# Altium PCB GN-1846-E-V2.PcbDoc (part 2 of 8)
Units mil, origin at the board's own origin, x right, y up, seen from the top; angles counter-clockwise.
Board outline 3750.16 x 2671.81 mil, 4 copper layers (TOP, GND, POWER, BOTTOM), stack 40.359 mil thick; 456 components, 457 nets, 2346 pads, 1495 vias.
Unrouted connection lines stored in the file: 4.
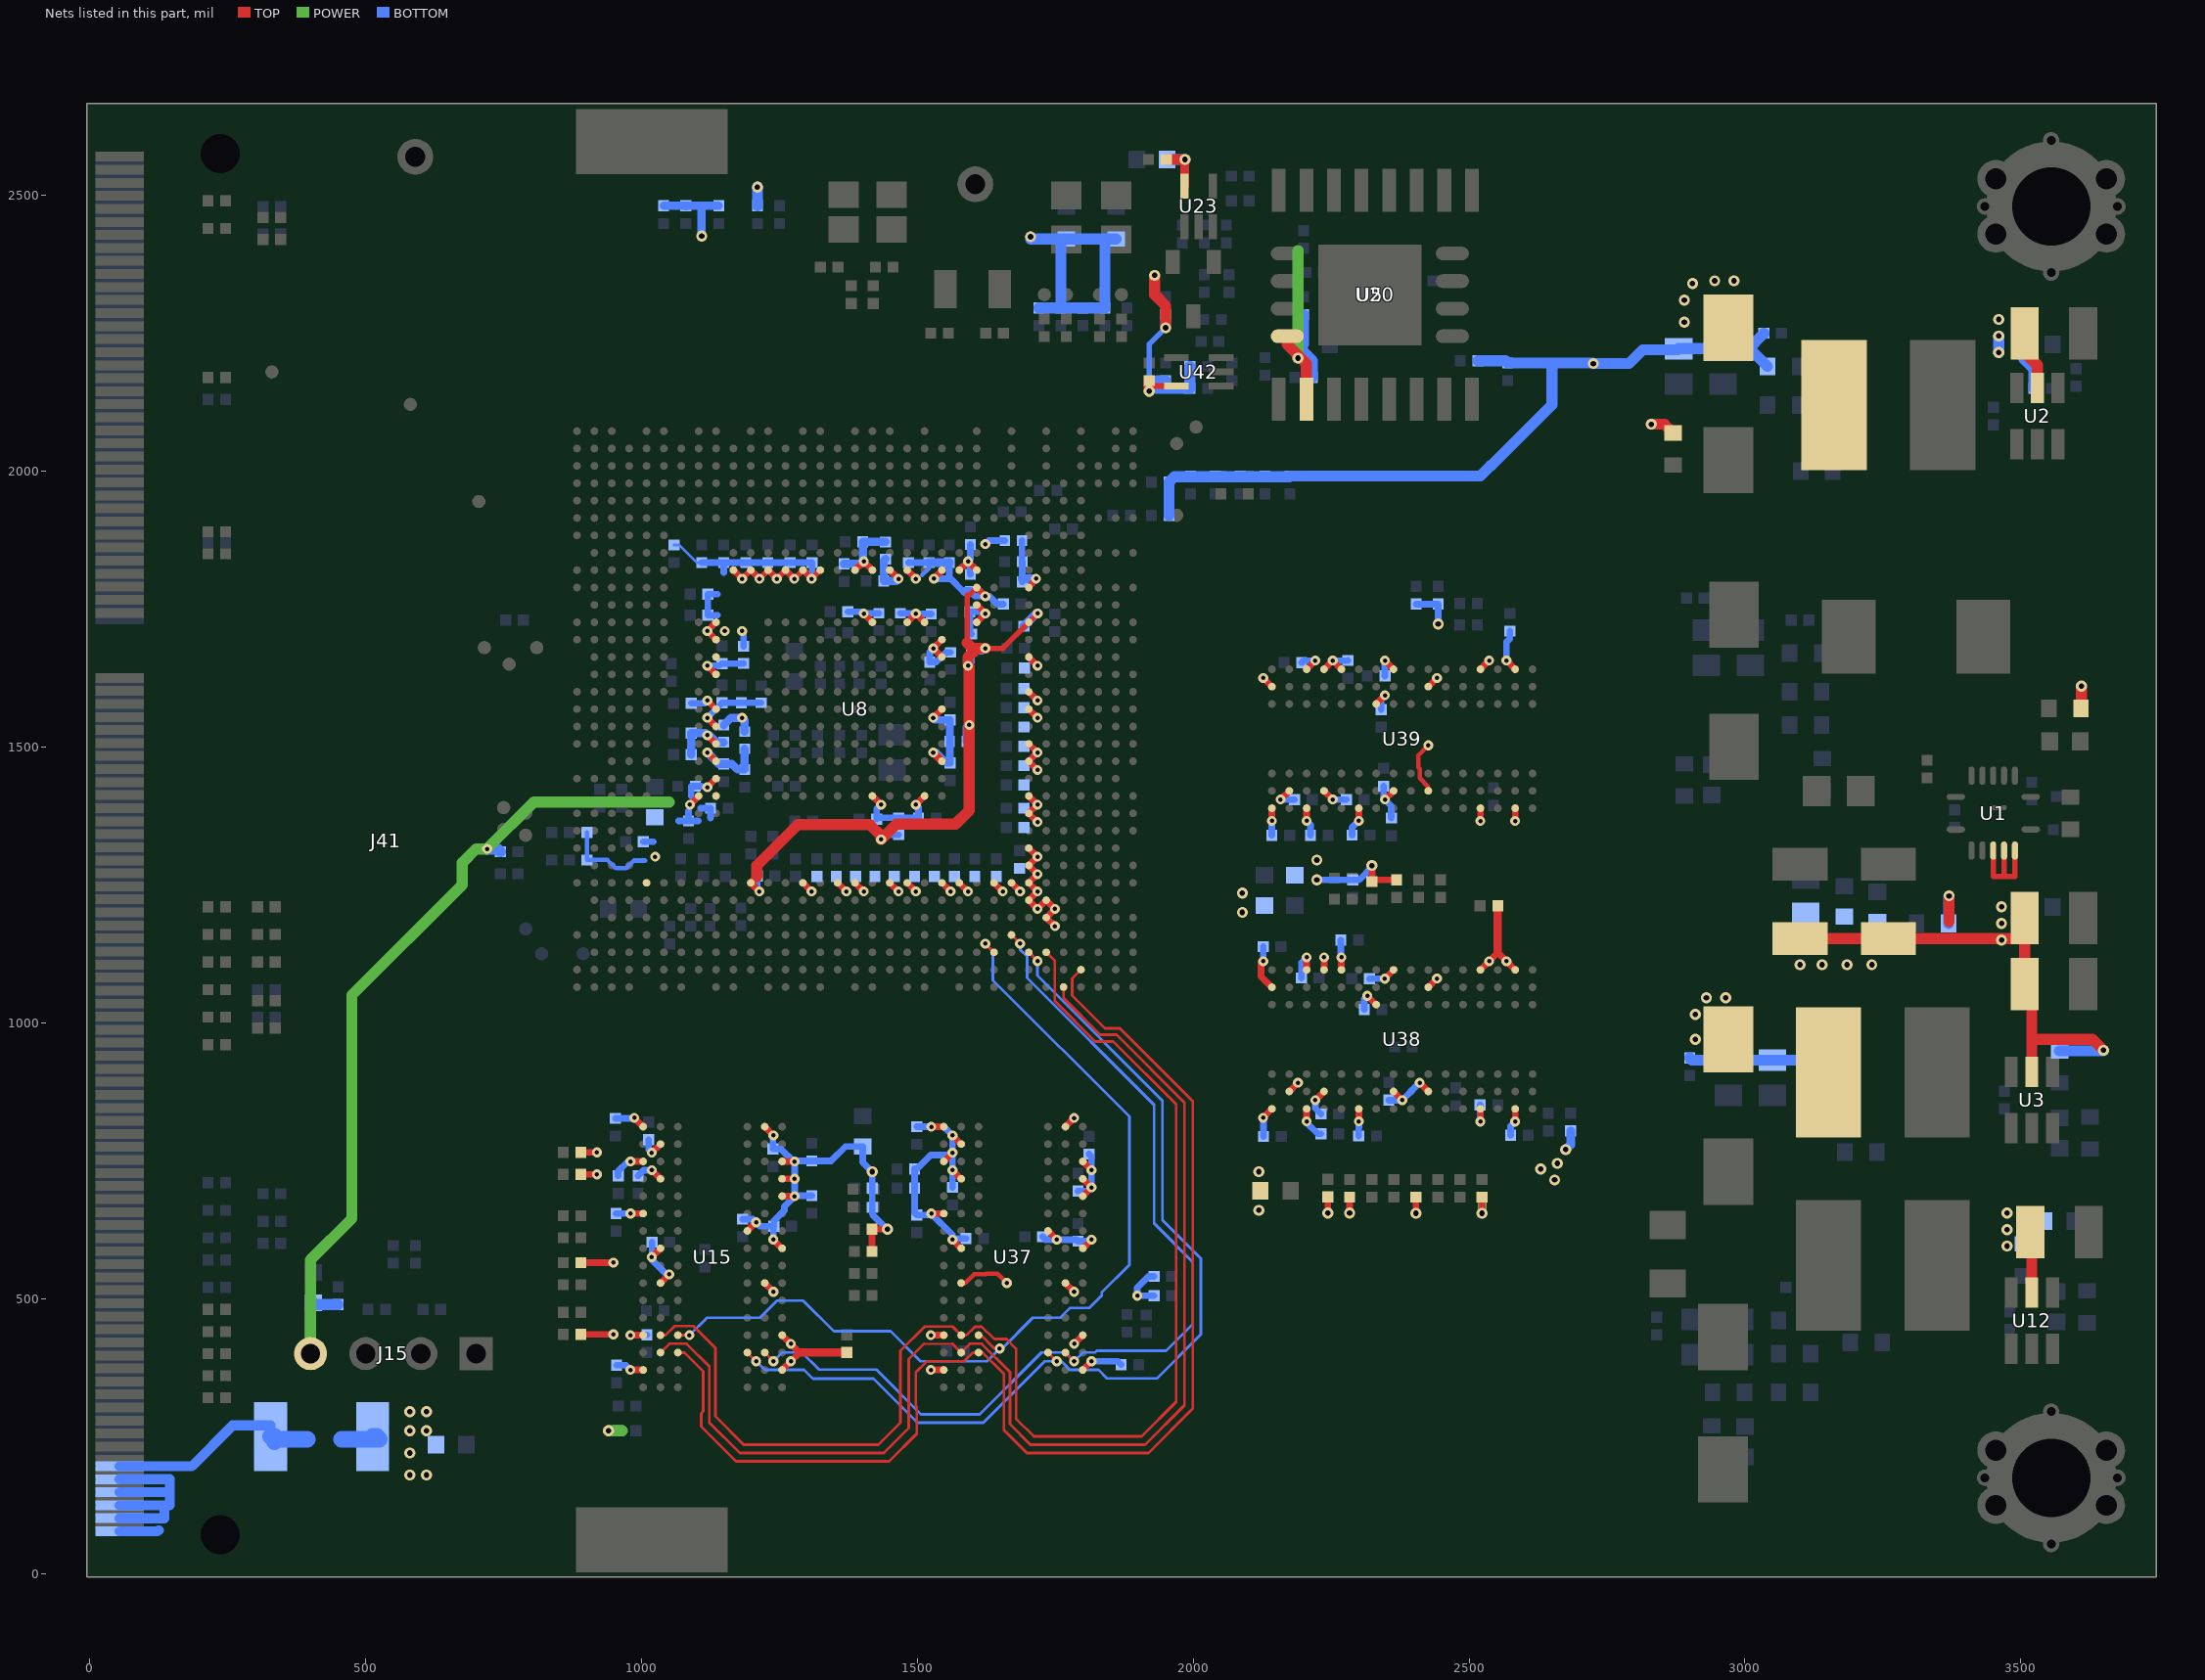
[diagram p4: the nets of this part, all layers, seen from the top]

## Footprints (in the part's own frame and the unit in brackets; to place one, negate y for a bottom-side part, rotate by r counter-clockwise, add the part's x,y. Pads: shape width x height; smd on the part's side, far side on the other; paste and mask are expansions set on the pad) (continued)
BGA805-32-3333 [mil]
  round 14 smd: A1(-503.94,-503.94) A2(-503.94,-472.44) A4(-503.94,-409.45) A7(-503.94,-314.96) A9(-503.94,-251.97) A10(-503.94,-220.47) A11(-503.94,-188.98) A13(-503.94,-125.98) A15(-503.94,-62.99) A16(-503.94,-31.5) A17(-503.94,0) A18(-503.94,31.5) A21(-503.94,125.98) A22(-503.94,157.48) A24(-503.94,220.47) A25(-503.94,251.97) A27(-503.94,314.96) A28(-503.94,346.46) A29(-503.94,377.95) A30(-503.94,409.45) A31(-503.94,440.94) A32(-503.94,472.44) A33(-503.94,503.94) AA1(125.98,-503.94) AA2(125.98,-472.44) AA3(125.98,-440.94) AA4(125.98,-409.45) AA5(125.98,-377.95) AA6(125.98,-346.46) AA7(125.98,-314.96) AA12(125.98,-157.48) AA13(125.98,-125.98) AA14(125.98,-94.49) AA15(125.98,-62.99) AA16(125.98,-31.5) AA17(125.98,0) AA18(125.98,31.5) AA19(125.98,62.99) AA20(125.98,94.49) AA21(125.98,125.98) AA22(125.98,157.48) AA25(125.98,251.97) AA26(125.98,283.46) AA28(125.98,346.46) AA29(125.98,377.95) AA30(125.98,409.45) AA31(125.98,440.94) AA32(125.98,472.44) AA33(125.98,503.94) AB2(157.48,-472.44) AB3(157.48,-440.94) AB4(157.48,-409.45) AB5(157.48,-377.95) AB6(157.48,-346.46) AB7(157.48,-314.96) AB12(157.48,-157.48) AB13(157.48,-125.98) AB14(157.48,-94.49) AB15(157.48,-62.99) AB16(157.48,-31.5) AB17(157.48,0) AB18(157.48,31.5) AB19(157.48,62.99) AB20(157.48,94.49) AB21(157.48,125.98) AB22(157.48,157.48) AB25(157.48,251.97) AB26(157.48,283.46) AB28(157.48,346.46) AB29(157.48,377.95) AB30(157.48,409.45) AB31(157.48,440.94) AB32(157.48,472.44) AC1(188.98,-503.94) AC2(188.98,-472.44) AC3(188.98,-440.94) AC4(188.98,-409.45) AC5(188.98,-377.95) AC6(188.98,-346.46) AC7(188.98,-314.96) AC25(188.98,251.97) AC26(188.98,283.46) AC28(188.98,346.46) AC29(188.98,377.95) AC30(188.98,409.45) AC31(188.98,440.94) AC32(188.98,472.44) AD1(220.47,-503.94) AD2(220.47,-472.44) AD3(220.47,-440.94) AD4(220.47,-409.45) AD5(220.47,-377.95) AD6(220.47,-346.46) AD7(220.47,-314.96) AD22(220.47,157.48) AD23(220.47,188.98) AD24(220.47,220.47) AD25(220.47,251.97) AD26(220.47,283.46) AD28(220.47,346.46) AD29(220.47,377.95) AD30(220.47,409.45) AD31(220.47,440.94) AD32(220.47,472.44) AD33(220.47,503.94) AE1(251.97,-503.94) AE2(251.97,-472.44) AE3(251.97,-440.94) AE4(251.97,-409.45) AE5(251.97,-377.95) AE6(251.97,-346.46) AE7(251.97,-314.96) AE22(251.97,157.48) AE23(251.97,188.98) AE24(251.97,220.47) AE28(251.97,346.46) AE29(251.97,377.95) AE30(251.97,409.45) AF1(283.46,-503.94) AF2(283.46,-472.44) AF3(283.46,-440.94) AF4(283.46,-409.45) AF5(283.46,-377.95) AF6(283.46,-346.46) AF7(283.46,-314.96) AF28(283.46,346.46) AF29(283.46,377.95) AF30(283.46,409.45) AF31(283.46,440.94) AF32(283.46,472.44) AF33(283.46,503.94) AG1(314.96,-503.94) AG2(314.96,-472.44) AG3(314.96,-440.94) AG4(314.96,-409.45) AG5(314.96,-377.95) AG6(314.96,-346.46) AG7(314.96,-314.96) AG8(314.96,-283.46) AG9(314.96,-251.97) AG10(314.96,-220.47) AG11(314.96,-188.98) AG12(314.96,-157.48) AG13(314.96,-125.98) AG14(314.96,-94.49) AG15(314.96,-62.99) AG16(314.96,-31.5) AG17(314.96,0) AG18(314.96,31.5) AG19(314.96,62.99) AG20(314.96,94.49) AG21(314.96,125.98) AG22(314.96,157.48) AG23(314.96,188.98) AG24(314.96,220.47) AG25(314.96,251.97) AG26(314.96,283.46) AG27(314.96,314.96) AG28(314.96,346.46) AG29(314.96,377.95) AG30(314.96,409.45) AH1(346.46,-503.94) AH2(346.46,-472.44) AH3(346.46,-440.94) AH4(346.46,-409.45) AH5(346.46,-377.95) AH6(346.46,-346.46) AH7(346.46,-314.96) AH8(346.46,-283.46) AH9(346.46,-251.97) AH10(346.46,-220.47) AH11(346.46,-188.98) AH12(346.46,-157.48) AH13(346.46,-125.98) AH14(346.46,-94.49) AH15(346.46,-62.99) AH16(346.46,-31.5) AH17(346.46,0) AH18(346.46,31.5) AH19(346.46,62.99) AH20(346.46,94.49) AH21(346.46,125.98) AH22(346.46,157.48) AH23(346.46,188.98) AH24(346.46,220.47) AH25(346.46,251.97) AH26(346.46,283.46) AH27(346.46,314.96) AH28(346.46,346.46) AH29(346.46,377.95) AH30(346.46,409.45) AH31(346.46,440.94) AH32(346.46,472.44) AH33(346.46,503.94) AJ1(377.95,-503.94) AJ2(377.95,-472.44) AJ3(377.95,-440.94) AJ4(377.95,-409.45) AJ5(377.95,-377.95) AJ6(377.95,-346.46) AJ7(377.95,-314.96) AJ8(377.95,-283.46) AJ9(377.95,-251.97) AJ10(377.95,-220.47) AJ11(377.95,-188.98) AJ12(377.95,-157.48) AJ13(377.95,-125.98) AJ14(377.95,-94.49) AJ15(377.95,-62.99) AJ16(377.95,-31.5) AJ17(377.95,0) AJ18(377.95,31.5) AJ19(377.95,62.99) AJ20(377.95,94.49) AJ21(377.95,125.98) AJ22(377.95,157.48) AJ23(377.95,188.98) AJ24(377.95,220.47) AJ25(377.95,251.97) AJ26(377.95,283.46) AJ27(377.95,314.96) AJ28(377.95,346.46) AJ29(377.95,377.95) AJ30(377.95,409.45) AK1(409.45,-503.94) AK2(409.45,-472.44) AK3(409.45,-440.94) AK4(409.45,-409.45) AK5(409.45,-377.95) AK6(409.45,-346.46) AK7(409.45,-314.96) AK8(409.45,-283.46) AK9(409.45,-251.97) AK10(409.45,-220.47) AK11(409.45,-188.98) AK12(409.45,-157.48) AK13(409.45,-125.98) AK14(409.45,-94.49) AK15(409.45,-62.99) AK16(409.45,-31.5) AK17(409.45,0) AK18(409.45,31.5) AK19(409.45,62.99) AK20(409.45,94.49) AK21(409.45,125.98) AK22(409.45,157.48) AK23(409.45,188.98) AK24(409.45,220.47) AK25(409.45,251.97) AK26(409.45,283.46) AK27(409.45,314.96) AK28(409.45,346.46) AK29(409.45,377.95) AK30(409.45,409.45) AK31(409.45,440.94) AK32(409.45,472.44) AK33(409.45,503.94) AL1(440.94,-503.94) AL2(440.94,-472.44) AL3(440.94,-440.94) AL4(440.94,-409.45) AL5(440.94,-377.95) AL6(440.94,-346.46) AL7(440.94,-314.96) AL8(440.94,-283.46) AL9(440.94,-251.97) AL10(440.94,-220.47) AL11(440.94,-188.98) AL12(440.94,-157.48) AL13(440.94,-125.98) AL14(440.94,-94.49) AL15(440.94,-62.99) AL16(440.94,-31.5) AL17(440.94,0) AL18(440.94,31.5) AL19(440.94,62.99) AL20(440.94,94.49) AL21(440.94,125.98) AL22(440.94,157.48) AL23(440.94,188.98) AL24(440.94,220.47) AL26(440.94,283.46) AL28(440.94,346.46) AL30(440.94,409.45) AL31(440.94,440.94) AM1(472.44,-503.94) AM2(472.44,-472.44) AM3(472.44,-440.94) AM4(472.44,-409.45) AM5(472.44,-377.95) AM6(472.44,-346.46) AM7(472.44,-314.96) AM8(472.44,-283.46) AM9(472.44,-251.97) AM10(472.44,-220.47) AM11(472.44,-188.98) AM12(472.44,-157.48) AM13(472.44,-125.98) AM14(472.44,-94.49) AM15(472.44,-62.99) AM16(472.44,-31.5) AM17(472.44,0) AM18(472.44,31.5) AM19(472.44,62.99) AM20(472.44,94.49) AM21(472.44,125.98) AM22(472.44,157.48) AM23(472.44,188.98) AM24(472.44,220.47) AM26(472.44,283.46) AM28(472.44,346.46) AM30(472.44,409.45) AM31(472.44,440.94) AM32(472.44,472.44) AM33(472.44,503.94) AN1(503.94,-503.94) AN2(503.94,-472.44) AN3(503.94,-440.94) AN4(503.94,-409.45) AN5(503.94,-377.95) AN7(503.94,-314.96) AN8(503.94,-283.46) AN10(503.94,-220.47) AN11(503.94,-188.98) AN12(503.94,-157.48) AN14(503.94,-94.49) AN15(503.94,-62.99) AN16(503.94,-31.5) AN17(503.94,0) AN18(503.94,31.5) AN19(503.94,62.99) AN21(503.94,125.98) AN22(503.94,157.48) AN24(503.94,220.47) AN26(503.94,283.46) AN28(503.94,346.46) AN30(503.94,409.45) AN31(503.94,440.94) AN32(503.94,472.44) AN33(503.94,503.94) B1(-472.44,-503.94) B2(-472.44,-472.44) B3(-472.44,-440.94) B4(-472.44,-409.45) B5(-472.44,-377.95) B6(-472.44,-346.46) B7(-472.44,-314.96) B8(-472.44,-283.46) B9(-472.44,-251.97) B10(-472.44,-220.47) B11(-472.44,-188.98) B13(-472.44,-125.98) B15(-472.44,-62.99) B16(-472.44,-31.5) B17(-472.44,0) B18(-472.44,31.5) B19(-472.44,62.99) B20(-472.44,94.49) B21(-472.44,125.98) B22(-472.44,157.48) B23(-472.44,188.98) B24(-472.44,220.47) B25(-472.44,251.97) B26(-472.44,283.46) B27(-472.44,314.96) B28(-472.44,346.46) B29(-472.44,377.95) B30(-472.44,409.45) B31(-472.44,440.94) B32(-472.44,472.44) B33(-472.44,503.94) C1(-440.94,-503.94) C2(-440.94,-472.44) C3(-440.94,-440.94) C4(-440.94,-409.45) C5(-440.94,-377.95) C6(-440.94,-346.46) C7(-440.94,-314.96) C8(-440.94,-283.46) C9(-440.94,-251.97) C10(-440.94,-220.47) C11(-440.94,-188.98) C12(-440.94,-157.48) C13(-440.94,-125.98) C14(-440.94,-94.49) C15(-440.94,-62.99) C16(-440.94,-31.5) C17(-440.94,0) C18(-440.94,31.5) C19(-440.94,62.99) C20(-440.94,94.49) C21(-440.94,125.98) C22(-440.94,157.48) C23(-440.94,188.98) C24(-440.94,220.47) C25(-440.94,251.97) C26(-440.94,283.46) C27(-440.94,314.96) C28(-440.94,346.46) C29(-440.94,377.95) C30(-440.94,409.45) C31(-440.94,440.94) C32(-440.94,472.44) C33(-440.94,503.94) D1(-409.45,-503.94) D2(-409.45,-472.44) D3(-409.45,-440.94) D4(-409.45,-409.45) D5(-409.45,-377.95) D6(-409.45,-346.46) D7(-409.45,-314.96) D8(-409.45,-283.46) D9(-409.45,-251.97) D10(-409.45,-220.47) D11(-409.45,-188.98) D12(-409.45,-157.48) D13(-409.45,-125.98) D14(-409.45,-94.49) D15(-409.45,-62.99) D16(-409.45,-31.5) D17(-409.45,0) D18(-409.45,31.5) D19(-409.45,62.99) D20(-409.45,94.49) D21(-409.45,125.98) D22(-409.45,157.48) D23(-409.45,188.98) D24(-409.45,220.47) D25(-409.45,251.97) D26(-409.45,283.46) D27(-409.45,314.96) D28(-409.45,346.46) D29(-409.45,377.95) D30(-409.45,409.45) D31(-409.45,440.94) D32(-409.45,472.44) E2(-377.95,-472.44) E3(-377.95,-440.94) E4(-377.95,-409.45) E5(-377.95,-377.95) E6(-377.95,-346.46) E7(-377.95,-314.96) E12(-377.95,-157.48) E13(-377.95,-125.98) E14(-377.95,-94.49) E15(-377.95,-62.99) E16(-377.95,-31.5) E17(-377.95,0) E18(-377.95,31.5) E19(-377.95,62.99) E20(-377.95,94.49) E21(-377.95,125.98) E22(-377.95,157.48) E23(-377.95,188.98) E24(-377.95,220.47) E25(-377.95,251.97) E26(-377.95,283.46) E27(-377.95,314.96) E28(-377.95,346.46) E29(-377.95,377.95) E30(-377.95,409.45) E31(-377.95,440.94) E32(-377.95,472.44) E33(-377.95,503.94) F1(-346.46,-503.94) F2(-346.46,-472.44) F3(-346.46,-440.94) F4(-346.46,-409.45) F5(-346.46,-377.95) F6(-346.46,-346.46) F7(-346.46,-314.96) F18(-346.46,31.5) F19(-346.46,62.99) F20(-346.46,94.49) F21(-346.46,125.98) F22(-346.46,157.48) F23(-346.46,188.98) F24(-346.46,220.47) F25(-346.46,251.97) F26(-346.46,283.46) F27(-346.46,314.96) F28(-346.46,346.46) F29(-346.46,377.95) F30(-346.46,409.45) F31(-346.46,440.94) F32(-346.46,472.44) F33(-346.46,503.94) G1(-314.96,-503.94) G2(-314.96,-472.44) G3(-314.96,-440.94) G4(-314.96,-409.45) G5(-314.96,-377.95) G6(-314.96,-346.46) G7(-314.96,-314.96) G28(-314.96,346.46) G29(-314.96,377.95) G30(-314.96,409.45) G31(-314.96,440.94) G32(-314.96,472.44) H2(-283.46,-472.44) H3(-283.46,-440.94) H4(-283.46,-409.45) H5(-283.46,-377.95) H6(-283.46,-346.46) H7(-283.46,-314.96) H11(-283.46,-188.98) H12(-283.46,-157.48) H13(-283.46,-125.98) H14(-283.46,-94.49) H15(-283.46,-62.99) H16(-283.46,-31.5) H17(-283.46,0) H18(-283.46,31.5) H19(-283.46,62.99) H20(-283.46,94.49) H21(-283.46,125.98) H22(-283.46,157.48) H28(-283.46,346.46) H29(-283.46,377.95) H30(-283.46,409.45) H31(-283.46,440.94) H32(-283.46,472.44) H33(-283.46,503.94) J1(-251.97,-503.94) J2(-251.97,-472.44) J3(-251.97,-440.94) J4(-251.97,-409.45) J5(-251.97,-377.95) J6(-251.97,-346.46) J7(-251.97,-314.96) J11(-251.97,-188.98) J12(-251.97,-157.48) J13(-251.97,-125.98) J14(-251.97,-94.49) J15(-251.97,-62.99) J16(-251.97,-31.5) J17(-251.97,0) J18(-251.97,31.5) J19(-251.97,62.99) J20(-251.97,94.49) J21(-251.97,125.98) J22(-251.97,157.48) J28(-251.97,346.46) J29(-251.97,377.95) J30(-251.97,409.45) J31(-251.97,440.94) J32(-251.97,472.44) J33(-251.97,503.94) K1(-220.47,-503.94) K2(-220.47,-472.44) K3(-220.47,-440.94) K4(-220.47,-409.45) K5(-220.47,-377.95) K6(-220.47,-346.46) K7(-220.47,-314.96) K25(-220.47,251.97) K26(-220.47,283.46) K28(-220.47,346.46) K29(-220.47,377.95) K30(-220.47,409.45) K31(-220.47,440.94) K32(-220.47,472.44) L2(-188.98,-472.44) L3(-188.98,-440.94) L4(-188.98,-409.45) L5(-188.98,-377.95) L6(-188.98,-346.46) L7(-188.98,-314.96) L25(-188.98,251.97) L26(-188.98,283.46) L28(-188.98,346.46) L29(-188.98,377.95) L30(-188.98,409.45) L31(-188.98,440.94) L32(-188.98,472.44) L33(-188.98,503.94) M1(-157.48,-503.94) M2(-157.48,-472.44) M3(-157.48,-440.94) M4(-157.48,-409.45) M5(-157.48,-377.95) M6(-157.48,-346.46) M7(-157.48,-314.96) M12(-157.48,-157.48) M13(-157.48,-125.98) M14(-157.48,-94.49) M15(-157.48,-62.99) M16(-157.48,-31.5) M17(-157.48,0) M18(-157.48,31.5) M19(-157.48,62.99) M20(-157.48,94.49) M21(-157.48,125.98) M22(-157.48,157.48) M25(-157.48,251.97) M26(-157.48,283.46) M28(-157.48,346.46) M29(-157.48,377.95) M30(-157.48,409.45) M31(-157.48,440.94) M32(-157.48,472.44) M33(-157.48,503.94) N1(-125.98,-503.94) N2(-125.98,-472.44) N3(-125.98,-440.94) N4(-125.98,-409.45) N5(-125.98,-377.95) N6(-125.98,-346.46) N7(-125.98,-314.96) N12(-125.98,-157.48) N13(-125.98,-125.98) N14(-125.98,-94.49) N15(-125.98,-62.99) N16(-125.98,-31.5) N17(-125.98,0) N18(-125.98,31.5) N19(-125.98,62.99) N20(-125.98,94.49) N21(-125.98,125.98) N22(-125.98,157.48) N25(-125.98,251.97) N26(-125.98,283.46) N28(-125.98,346.46) N29(-125.98,377.95) N30(-125.98,409.45) N31(-125.98,440.94) N32(-125.98,472.44) P1(-94.49,-503.94) P2(-94.49,-472.44) P3(-94.49,-440.94) P4(-94.49,-409.45) P5(-94.49,-377.95) P6(-94.49,-346.46) P7(-94.49,-314.96) P12(-94.49,-157.48) P13(-94.49,-125.98) P14(-94.49,-94.49) P15(-94.49,-62.99) P16(-94.49,-31.5) P17(-94.49,0) P18(-94.49,31.5) P19(-94.49,62.99) P20(-94.49,94.49) P21(-94.49,125.98) P22(-94.49,157.48) P25(-94.49,251.97) P26(-94.49,283.46) P28(-94.49,346.46) P29(-94.49,377.95) P30(-94.49,409.45) P31(-94.49,440.94) P32(-94.49,472.44) P33(-94.49,503.94) R1(-62.99,-503.94) R2(-62.99,-472.44) R3(-62.99,-440.94) R4(-62.99,-409.45) R5(-62.99,-377.95) R6(-62.99,-346.46) R7(-62.99,-314.96) R12(-62.99,-157.48) R13(-62.99,-125.98) R14(-62.99,-94.49) R15(-62.99,-62.99) R16(-62.99,-31.5) R17(-62.99,0) R18(-62.99,31.5) R19(-62.99,62.99) R20(-62.99,94.49) R21(-62.99,125.98) R22(-62.99,157.48) R25(-62.99,251.97) R26(-62.99,283.46) R28(-62.99,346.46) R29(-62.99,377.95) R30(-62.99,409.45) R31(-62.99,440.94) R32(-62.99,472.44) R33(-62.99,503.94) T2(-31.5,-472.44) T3(-31.5,-440.94) T4(-31.5,-409.45) T5(-31.5,-377.95) T6(-31.5,-346.46) T7(-31.5,-314.96) T12(-31.5,-157.48) T13(-31.5,-125.98) T14(-31.5,-94.49) T15(-31.5,-62.99) T16(-31.5,-31.5) T17(-31.5,0) T18(-31.5,31.5) T19(-31.5,62.99) T20(-31.5,94.49) T21(-31.5,125.98) T22(-31.5,157.48) T25(-31.5,251.97) T26(-31.5,283.46) T28(-31.5,346.46) T29(-31.5,377.95) T30(-31.5,409.45) T31(-31.5,440.94) T32(-31.5,472.44) U1(0,-503.94) U2(0,-472.44) U3(0,-440.94) U4(0,-409.45) U5(0,-377.95) U6(0,-346.46) U7(0,-314.96) U12(0,-157.48) U13(0,-125.98) U14(0,-94.49) U15(0,-62.99) U16(0,-31.5) U17(0,0) U18(0,31.5) U19(0,62.99) U20(0,94.49) U21(0,125.98) U22(0,157.48) U25(0,251.97) U26(0,283.46) U28(0,346.46) U29(0,377.95) U30(0,409.45) U31(0,440.94) U32(0,472.44) U33(0,503.94) V1(31.5,-503.94) V2(31.5,-472.44) V3(31.5,-440.94) V4(31.5,-409.45) V5(31.5,-377.95) V6(31.5,-346.46) V7(31.5,-314.96) V12(31.5,-157.48) V13(31.5,-125.98) V14(31.5,-94.49) V15(31.5,-62.99) V16(31.5,-31.5) V17(31.5,0) V18(31.5,31.5) V19(31.5,62.99) V20(31.5,94.49) V21(31.5,125.98) V22(31.5,157.48) V25(31.5,251.97) V26(31.5,283.46) V28(31.5,346.46) V29(31.5,377.95) V30(31.5,409.45) V31(31.5,440.94) V32(31.5,472.44) V33(31.5,503.94) W2(62.99,-472.44) W3(62.99,-440.94) W4(62.99,-409.45) W5(62.99,-377.95) W6(62.99,-346.46) W7(62.99,-314.96) W12(62.99,-157.48) W13(62.99,-125.98) W14(62.99,-94.49) W15(62.99,-62.99) W16(62.99,-31.5) W17(62.99,0) W18(62.99,31.5) W19(62.99,62.99) W20(62.99,94.49) W21(62.99,125.98) W22(62.99,157.48) W25(62.99,251.97) W26(62.99,283.46) W28(62.99,346.46) W29(62.99,377.95) W30(62.99,409.45) W31(62.99,440.94) W32(62.99,472.44) W33(62.99,503.94) Y1(94.49,-503.94) Y2(94.49,-472.44) Y3(94.49,-440.94) Y4(94.49,-409.45) Y5(94.49,-377.95) Y6(94.49,-346.46) Y7(94.49,-314.96) Y12(94.49,-157.48) Y13(94.49,-125.98) Y14(94.49,-94.49) Y15(94.49,-62.99) Y16(94.49,-31.5) Y17(94.49,0) Y18(94.49,31.5) Y19(94.49,62.99) Y20(94.49,94.49) Y21(94.49,125.98) Y22(94.49,157.48) Y25(94.49,251.97) Y26(94.49,283.46) Y28(94.49,346.46) Y29(94.49,377.95) Y30(94.49,409.45) Y31(94.49,440.94) Y32(94.49,472.44)
  silkscreen extent -535,-535 535,535
DDR3SODI_MBH2S6 [mm]
  rect 0.45x2.25 smd: 1(0,0) 3(0.6,0) 5(1.2,0) 7(1.8,0) 9(2.4,0) 11(3,0) 13(3.6,0) 15(4.2,0) 17(4.8,0) 19(5.4,0) 21(6,0) 23(6.6,0) 25(7.2,0) 27(7.8,0) 29(8.4,0) 31(9,0) 33(9.6,0) 35(10.2,0) 37(10.8,0) 39(11.4,0) 41(12,0) 43(12.6,0) 45(13.2,0) 47(13.8,0) 49(14.4,0) 51(15,0) 53(15.6,0) 55(16.2,0) 57(16.8,0) 59(17.4,0) 61(18,0) 63(18.6,0) 65(19.2,0) 67(19.8,0) 69(20.4,0) 71(21,0) 73(24,0) 75(24.6,0) 77(25.2,0) 79(25.8,0) 81(26.4,0) 83(27,0) 85(27.6,0) 87(28.2,0) 89(28.8,0) 91(29.4,0) 93(30,0) 95(30.6,0) 97(31.2,0) 99(31.8,0) 101(32.4,0) 103(33,0) 105(33.6,0) 107(34.2,0) 109(34.8,0) 111(35.4,0) 113(36,0) 115(36.6,0) 117(37.2,0) 119(37.8,0) 121(38.4,0) 123(39,0) 125(39.6,0) 127(40.2,0) 129(40.8,0) 131(41.4,0) 133(42,0) 135(42.6,0) 137(43.2,0) 139(43.8,0) 141(44.4,0) 143(45,0) 145(45.6,0) 147(46.2,0) 149(46.8,0) 151(47.4,0) 153(48,0) 155(48.6,0) 157(49.2,0) 159(49.8,0) 161(50.4,0) 163(51,0) 165(51.6,0) 167(52.2,0) 169(52.8,0) 171(53.4,0) 173(54,0) 175(54.6,0) 177(55.2,0) 179(55.8,0) 181(56.4,0) 183(57,0) 185(57.6,0) 187(58.2,0) 189(58.8,0) 191(59.4,0) 193(60,0) 195(60.6,0) 197(61.2,0) 199(61.8,0) 201(62.4,0) 203(63,0)
  rect 0.45x2.25 smd far side: 2(0.3,0) 4(0.9,0) 6(1.5,0) 8(2.1,0) 10(2.7,0) 12(3.3,0) 14(3.9,0) 16(4.5,0) 18(5.1,0) 20(5.7,0) 22(6.3,0) 24(6.9,0) 26(7.5,0) 28(8.1,0) 30(8.7,0) 32(9.3,0) 34(9.9,0) 36(10.5,0) 38(11.1,0) 40(11.7,0) 42(12.3,0) 44(12.9,0) 46(13.5,0) 48(14.1,0) 50(14.7,0) 52(15.3,0) 54(15.9,0) 56(16.5,0) 58(17.1,0) 60(17.7,0) 62(18.3,0) 64(18.9,0) 66(19.5,0) 68(20.1,0) 70(20.7,0) 72(21.3,0) 74(24.3,0) 76(24.9,0) 78(25.5,0) 80(26.1,0) 82(26.7,0) 84(27.3,0) 86(27.9,0) 88(28.5,0) 90(29.1,0) 92(29.7,0) 94(30.3,0) 96(30.9,0) 98(31.5,0) 100(32.1,0) 102(32.7,0) 104(33.3,0) 106(33.9,0) 108(34.5,0) 110(35.1,0) 112(35.7,0) 114(36.3,0) 116(36.9,0) 118(37.5,0) 120(38.1,0) 122(38.7,0) 124(39.3,0) 126(39.9,0) 128(40.5,0) 130(41.1,0) 132(41.7,0) 134(42.3,0) 136(42.9,0) 138(43.5,0) 140(44.1,0) 142(44.7,0) 144(45.3,0) 146(45.9,0) 148(46.5,0) 150(47.1,0) 152(47.7,0) 154(48.3,0) 156(48.9,0) 158(49.5,0) 160(50.1,0) 162(50.7,0) 164(51.3,0) 166(51.9,0) 168(52.5,0) 170(53.1,0) 172(53.7,0) 174(54.3,0) 176(54.9,0) 178(55.5,0) 180(56.1,0) 182(56.7,0) 184(57.3,0) 186(57.9,0) 188(58.5,0) 190(59.1,0) 192(59.7,0) 194(60.3,0) 196(60.9,0) 198(61.5,0) 200(62.1,0) 202(62.7,0) 204(63.3,0)
  round 0 hole 1.8 unplated: 205(-0.15,4.628) 206(63.45,4.628)
  rect 3x7 smd: 207(-0.7,24.5) 208(63.7,24.5)
  silkscreen extent -2.31,-1.37 65.3,30.05
HOLE160-8STARAN [mil]
  round 30 hole 16: 1(120,0) 3(0,120) 5(-120,0) 7(0,-120)
  round 68 hole 38: 2(100,50) 4(-100,50) 6(-100,-50) 8(100,-50)
  round 236.22 hole 141.73: 9(0,0)
  silkscreen extent -148,-101 146,93
HSOT-SC70-DCK [mil]
  rect 15x45 smd: 1(25.59,37) 2(0,37) 3(-25.59,37) 4(-25.59,-37) 5(25.59,-37)
  silkscreen extent -44,-28 44,28
HSX2-0302 [mil]
  rect 40x70 smd: 1(-49.21,0) 2(49.21,0)
  silkscreen extent -79,-44 79,44
HSX4-0302 [mil]
  rect 55x48 smd: 1(-43.31,-31.5) 2(43.31,-31.5) 3(43.31,31.5) 4(-43.31,31.5)
  silkscreen extent -118,-65 81,65
MPI6045 [mm]
  rect 3x6 smd: 1(-2.5,0) 2(2.5,0)
  silkscreen extent -3,-3 3,3
SC0402 [mil]
  rect 20x20 smd: 1(16,0) 2(-16,0)
  silkscreen extent -34,-18 34,18
SC0603 [mil]
  rect 30x32 smd: 1(27.5,0) 2(-27.5,0)
  silkscreen extent -51,-24 51,24
SC0805 [mil]
  rect 39x50 smd: 1(-32,0) 2(32,0)
  silkscreen extent -60,-34 60,34
SC1206 [mil]
  rect 51x65 smd: 1(-53,0) 2(53,0)
  silkscreen extent -87,-41 87,41